# Altium PCB MSXII_Lights.PcbDoc (continued)
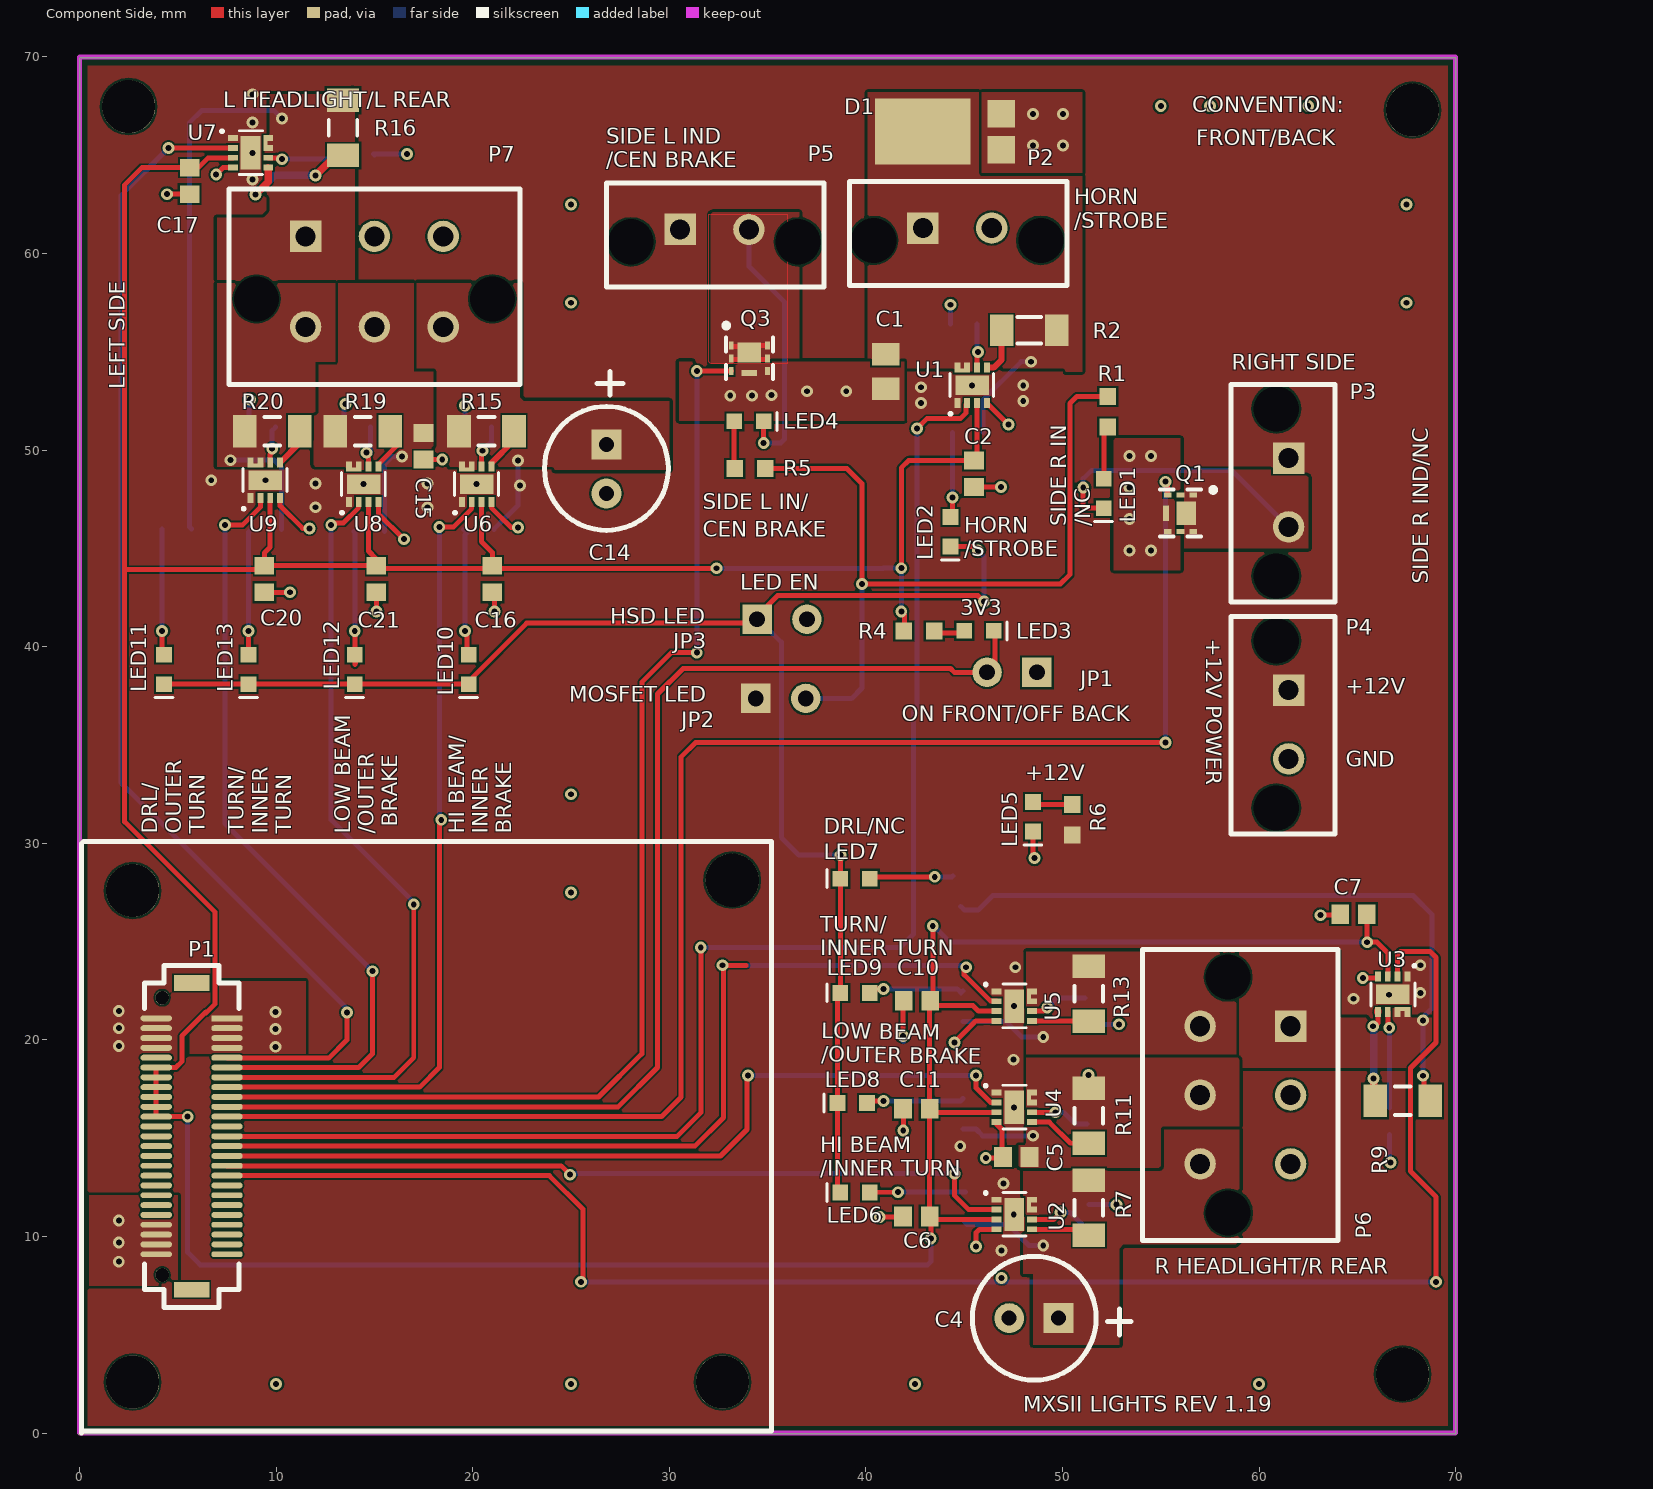
[diagram p0: Component Side view]
## Part data (continued)
R2: "200 Ohms ±5% 0.5W, 1/2W Chip Resistor 0805 (2012 Metric) Automotive AEC-Q200, Pulse Withstanding Thick Film", Manufacturer="Panasonic Electronic Components", Manufacturer Part Number=ERJ-P06F2000V, Operating Temperature="-55°C ~ 155°C", Package / Case="0805 (2012 Metric)", Power (Watts)=0.5W, Resistance=200R, Supplier Device Package=0805, Temperature Coefficient=±100ppm/°C, Tolerance=±1%, Category=Resistors, ComponentLink1Description=https://industrial.panasonic.com/cdbs/www-data/pdf/RDO0000/AOA0000C331.pdf, ComponentLink1URL=https://industrial.panasonic.com/cdbs/www-data/pdf/RDO0000/AOA0000C331.pdf, Composition="Thick Film", Failure Rate=-, Features="Automotive AEC-Q200, Pulse Withstanding", Height - Seated (Max)="0.028\" (0.70mm)", Packaging="Cut Tape (CT)", Part Status=Active, Pricing 1="1=0.27, 10=0.226, 100=0.0884, 1000=0.03699, 2500=0.0339 (CAD)", RoHS="RoHS Compliant", Size / Dimension="0.079\" L x 0.049\" W (2.00mm x 1.25mm)", Stock 1=46234, Supplier 1=Digi-Key
R6: "4.7k Ohm ±1% 0.1W, 1/10W Chip Resistor 0603 (1608 Metric) Moisture Resistant Thick Film", Manufacturer 1=Yageo, Manufacturer Part Number 1=RC0603FR-074K7L, Operating Temperature="-55°C ~ 155°C", Package / Case="0603 (1608 Metric)", Power (Watts)=1/10W, Resistance (Ohms)=4.7k, Supplier Device Package=0603, Supplier Part Number 1=311-4.70KHRCT-ND, Temperature Coefficient=±100ppm/°C, Tolerance=±1%, Category=Resistors, ComponentLink1Description=http://www.yageo.com/documents/recent/PYu-RC_Group_51_RoHS_L_7.pdf, ComponentLink1URL=http://www.yageo.com/documents/recent/PYu-RC_Group_51_RoHS_L_7.pdf, Composition="Thick Film", Description 1="RES SMD 4.7K OHM 1% 1/10W 0603", Failure Rate=-, Features="Moisture Resistant", Height - Seated (Max)="0.022\" (0.55mm)", Packaging="Cut Tape (CT)", Part Status=Active, Pricing 1="1=0.16, 10=0.022, 100=0.0089, 1000=0.00402, 2500=0.00349 (CAD)", RoHS="RoHS Compliant", Size / Dimension="0.063\" L x 0.031\" W (1.60mm x 0.80mm)", Stock 1=3487566, Supplier 1=Digi-Key
R7 R9 R11 R13 R15 R16 R19 R20: "200 Ohms ±1% 0.5W, 1/2W Chip Resistor 0805 (2012 Metric) Automotive AEC-Q200, Pulse Withstanding Thick Film", Manufacturer="Panasonic Electronic Components", Manufacturer Part Number=ERJ-P06F2000V, Operating Temperature="-55°C ~ 155°C", Package / Case="0805 (2012 Metric)", Power (Watts)=0.5W, Supplier Device Package=0805, Temperature Coefficient=±100ppm/°C, Tolerance=±1%, Category=Resistors, ComponentLink1Description=https://industrial.panasonic.com/cdbs/www-data/pdf/RDO0000/AOA0000C331.pdf, ComponentLink1URL=https://industrial.panasonic.com/cdbs/www-data/pdf/RDO0000/AOA0000C331.pdf, Composition="Thick Film", Failure Rate=-, Features="Automotive AEC-Q200, Pulse Withstanding", Height - Seated (Max)="0.028\" (0.70mm)", Packaging="Cut Tape (CT)", Part Status=Active, Pricing 1="1=0.27, 10=0.226, 100=0.0884, 1000=0.03699, 2500=0.0339 (CAD)", RoHS="RoHS Compliant", Size / Dimension="0.079\" L x 0.049\" W (2.00mm x 1.25mm)", Stock 1=46246, Supplier 1=Digi-Key
U1 U2 U3 U4 U5 U6 U7 U8 U9: "NCP45521IMNTWG-H", Current - Output (Max)=10.5A, Manufacturer="ON Semiconductor", Operating Temperature="-40°C ~ 85°C (TA)", Package / Case="8-VFDFN Exposed Pad", Supplier Device Package="8-DFN (2x2)", Voltage - Load="0.5 V ~ 13.5 V", Voltage - Supply (Vcc/Vdd)="3 V ~ 5.5 V", Category="Integrated Circuits (ICs)", ComponentLink1Description=http://www.onsemi.com/pub/Collateral/NCP45520-D.PDF, ComponentLink1URL=http://www.onsemi.com/pub/Collateral/NCP45520-D.PDF, Fault Protection="Over Temperature, UVLO", Features="Slew Rate Controlled", Input Type=Non-Inverting, Interface=On/Off, Manufacturer Part Number=NCP45521IMNTWG-H, Number of Outputs=1, Output Configuration="High Side", Output Type=N-Channel, Packaging=Digi-Reel®, Part Status=Active, Pricing 1="1=1.57, 10=1.405, 100=1.0957, 500=0.90518, 1000=0.71462 (CAD)", Pricing 2="1=1.53, 10=1.372, 100=1.0702, 500=0.88408, 1000=0.69797 (CAD)", Ratio - Input:Output=1:1, Rds On (Typ)="12.8 mOhm", RoHS="RoHS Compliant", Stock 1=2377, Stock 2=2211, Supplier 1=Digi-Key, Supplier 2=Digi-Key, Supplier Part Number 2=NCP45521IMNTWG-HOSDKR-ND, Switch Type="General Purpose"

## Free pads (board coordinates)
  round 2.7 hole 2.7: ""(2.5,67.473) ""(2.702,2.601) ""(2.702,27.601) ""(32.702,2.601) ""(33.2,28.127) ""(67.3,3) ""(67.8,67.3)

## Via types
v1: diameter 0.6, hole 0.3, Component Side to Solder Side, tented both sides, 163 vias
v2: diameter 0.6, hole 0.3, Component Side to Solder Side, 1 vias

## Nets (pads, with @x,y where several pads share a name; then routed paths per layer and width w, separated by ;. In a path a pad name is that pad's centre, name@x,y a point inside that pad or via, vN(x,y) a via of type N, cw(c..) or ccw(c..) an arc to the next point about the centre after c; other vN are vias at no path point)
3V3: C2.1 C6.1 C7.1 C10.1 C11.1 C16.1 C17.1 C20.1 C21.1 P1.40 P1.41 P1.42 P1.43 P1.44 P1.45 R4.1 U1.3 U2.3 U3.3 U4.3 U5.3 U6.3 U7.3 U8.3 U9.3 | length 223.7
  Component Side w0.254: v1(5.501,16.101) P1.40 P1.41 P1.42 P1.43 P1.44 P1.45 4.901,18.601 5.2,18.9 5.2,20.2 6.423,21.423 6.423,21.367 6.881,21.826 6.881,26.519 2.3,31.1 2.3,43.928 ; U7.3 6.539,64.873 6.039,64.373 C17.1 3.173,64.373 2.3,63.5 2.3,43.928 ; U9.3@9.7,47.373 9.7,45.073 9.4,44.773 C20.1 ; U8.3 14.7,44.873 15.1,44.473 C21.1 C21.1@15.1,43.923 ; U6.3 20.45,45.35 21,44.8 C16.1 21,44.048 C16.1@20.946,43.994 ; v1(32.4,43.994) C16.1@20.946,43.994 ; v1(41.8,41.8) 41.95,41.65 R4.1@41.95,40.7 ; v1(41.8,44) 41.8,49.1 42.175,49.475 C2.1 45.65,49.625 U1.3 ; 43.241,20.467 43.241,20.248 ; v1(43.3,9.9) C6.1@43.3,10.963 ; v1(43.4,25.8) 43.4,21.853 C10.1@43.295,21.748 ; U2.3 46.636,10.869 43.394,10.869 C6.1@43.3,10.963 ; U4.3 C11.1@43.24,16.323 ; U5.3 45.72,21.473 45.445,21.748 C10.1@43.295,21.748 ; C7.1@65.475,26.348 65.475,26.153 65.495,26.173 v1(65.495,24.973) 66,24.973 66.545,24.428 U3.3 ; 2.3,43.928 9.4,43.928 C20.1 ; C20.1 14.9,44.123 C21.1@15.1,43.923 ; C21.1@15.1,43.923 15.171,43.994 C16.1@20.946,43.994 ; C11.1@43.24,16.323 C6.1 C6.1@43.3,10.963 ; C11.1@43.24,16.323 C11.1@43.24,16.486 ; C11.1@43.24,16.486 C11.1 ; C11.1@43.24,16.486 C11.1 ; C11.1 43.241,19.429 43.241,20.248 ; 43.241,20.248 43.24,21.748 C10.1@43.295,21.748
  Solder Side w0.254: v1(5.501,16.101) 5.501,9.199 6.14,8.56 43.135,8.56 43.3,8.725 v1(43.3,9.9) ; v1(32.4,43.994) 40.894,43.994 40.9,44 v1(41.8,44) v1(41.8,41.8) ; v1(43.4,25.8) 43.448,25.8 44.275,24.973 v1(65.495,24.973)
+12V: JP2.1 P1.47 P1.48 P1.49 P1.50 P3.1 P4.1 P5.1 R6.1 U1.1 U1.9 U2.1 U2.9 U3.1 U3.9 U4.1 U4.9 U5.1 U5.9 U6.1 U6.9 U7.1 U7.9 U8.1 U8.9 U9.1 U9.9
  other v1: 46.9,9.3 47.52,11.123 47,12.7 44.8,14.6 47.54,16.573 47.5,19 2,19.7 2,20.6 2,21.475 47.54,21.723 64.8,22.1 66.6,22.3 68.2,22.4 47.6,23.7 68.2,23.8 12,47.1 17.7,47.1 22.4,48.2 14.45,48.273 20.2,48.273 12,48.3 17.7,48.3 6.7,48.473 9.45,48.473 42.8,52.4 48,52.5 42.8,53.2 45.4,53.3 48,53.3 8.8,63.773 8.8,65.123 8.8,66.673 8.8,68.1
GND: C1.2 C2.2 C3.2 C4.2 C5.1 C6.2 C7.2 C8.2 C9.2 C10.2 C11.2 C12.2 C13.2 C14.2 C15.1 C16.2 C17.2 C18.2 C19.2 C20.2 C21.2 C22.2 C23.2 D1.1 JP1.1 JP3.2 LED5.2 P1.1 P1.2 P1.3 P1.4 P1.26 P1.27 P1.28 P1.29 P2.2 P4.2 P6.2 P6.3 P7.2 P7.3 Q1.4 Q1.8 Q3.4 Q3.8 U1.4 U2.4 U3.4 U4.4 U5.4 U6.4 U7.4 U8.4 U9.4 | length 42.2
  Component Side w0.254: v1(4.45,63.023) C17.2 ; v1(6.95,64.023) 7.3,64.373 U7.4 ; C20.2 v1(10.7,42.773) ; U9.4 10.2,47.173 11.35,46.023 v1(11.7,46.023) v1@11.6,46.123 ; v1(15.1,41.8) C21.2@15.1,42.573 ; U8.4 15.2,46.773 v1(16.5,45.473) ; C15.1 v1(18.45,49.523) ; U6.4 20.95,47.073 21.95,46.073 v1(22.3,46.073) ; C16.2 21.1,42.673 v1@21.1,41.9 ; v1(40.7,11) 41.867,11 C6.2 ; C11.2@41.89,16.248 41.9,16.238 v1(41.9,15.4) ; v1(41.89,20.2) C10.2@41.89,21.748 ; v1(44.5,19.873) 45.6,20.973 U5.4 ; C2.2 v1(46.875,48.125) ; v1(45.6,9.5) 45.6,10.2 45.773,10.373 U2.4 ; v1(46.1,14) 46.922,14 C5.1 46.924,14.094 46.924,15.444 46.64,15.728 U4.4 ; U1.4 v1(47.25,51.3) ; LED5.2@48.5,30.65 48.5,29.325 v1(48.575,29.25) ; v1(63.125,26.348) C7.2@64.32,26.348 ; v1(65.275,23.148) 65.97,23.148 U3.4
  Solder Side w0.254: C23.2 8.625,52.523 v1(8.675,52.573) ; C22.2 13.45,52.265 v1(13.533,52.348) ; C19.2@15,65.023 C19.2 v1(16.65,65.073) ; C18.2 v1(19.6,52.273) ; v1@41.89,19.938 v1@41.905,19.923 ; C3.2 v2(44.3,57.4) ; C13.2 v1(52.875,20.798) ; C12.2@51.329,17.348 v1(51.329,18.216) ; C8.2 v1(52.75,11.623) ; C9.2 66.62,13.828 v1(66.675,13.773)
  other v1: 10,2.5 25,2.5 42.5,2.5 60,2.5 2,8.725 2,9.7 2,10.825 9.975,19.652 9.975,20.552 9.975,21.427 25,27.5 25,32.5 21.1,41.8 53.4,44.9 54.5,44.9 53.4,46.5 53.4,48.1 53.4,49.7 54.5,49.7 33.1,52.773 34.2,52.773 35.2,52.8 37,53 39,53 25,57.5 67.5,57.5 25,62.5 67.5,62.5 48.5,65.5 50.018,65.5 48.5,67.095 50.018,67.095 55,67.5 57.5,67.5 62.5,67.5
LED_12V: JP2.2 R1.1 R5.1 | length 40.5
  Component Side w0.254: R5.1 39.027,49.073 39.8,48.3 v1(39.8,43.2) 49.9,43.2 50.372,43.672 50.372,52.372 50.728,52.728 R1.1 ; JP2.2 JP2.2@37.173,37.373
  Solder Side w0.254: JP2.2 39.273,37.373 39.8,37.9 v1(39.8,43.2)
LED_OUT: JP3.1 LED2.2 LED6.2 LED7.2 LED8.2 LED9.2 LED10.2 LED11.2 LED12.2 LED13.2 | length 81.4
  Component Side w0.254: LED11.2@4.3,37.9 4.5,38.1 LED13.2 LED12.2 19.446,38.1 LED10.2@19.673,37.873 ; LED10.2@19.77,38.23 22.74,41.2 33.9,41.2 34.273,41.573 34.473,41.573 35.5,42.6 45.7,42.6 v1(46,42.3) ; LED8.2@38.5,16.79 38.54,16.77 LED8.2@38.55,16.764 ; LED9.2@38.5,22.397 38.5,22.39 38.55,22.34 LED8.2 LED8.2@38.55,16.764 ; LED6.2 38.55,12.388 LED8.2@38.55,16.764 ; LED9.2 LED7.2 v1(38.7,29.4) ; LED8.2@38.7,16.688 LED8.2@38.55,16.764 ; LED6.2@38.895,12.247 LED6.2@38.9,12.138 ; LED2.2 45.5,45.1 v1(45.7,44.9)
  Solder Side w0.254: JP3.1@35.027,41.573 34.36,41.573 35.7,40.233 35.7,30.3 36.6,29.4 v1(38.7,29.4) ; v1(45.7,44.9) 46,44.6 v1(46,42.3)
LF_DRL/LR_OUTER_TURN_3: P7.1 R16.1 R18.1 U7.7 U7.8 | length 26.1
  Component Side w0.254: U7.7 U7.7@9.609,65.382 ; P7.1@10.921,60.873 P7.1@11.1,61.052
  Solder Side w0.254: R18.1 5.6,46.1 5.6,66.673 6.2,67.273 9.9,67.273 v1(10.3,66.873)
LF_HIGH_BEAM/LR_BRAKE_3: C14.1 P7.6 R15.1 R17.1 U6.7 U6.8 | length 4
  Solder Side w0.254: R17.1 22.3,47.198 v1(22.3,49.473)
LF_LOW_BEAM/LR_OUTER_BRAKE_3: C15.2 P7.5 R19.1 R21.1 U8.7 U8.8 | length 4.5
  Solder Side w0.254: R21.1@15.5,45.873 R21.1 15.5,49.264 15.909,49.673 v1(16.4,49.673)
LF_TURN/LR_TURN_3: P7.4 R20.1 R22.1 U9.7 U9.8 | length 5.9
  Solder Side w0.254: v1(7.679,49.494) 9.906,49.494 10.275,49.125 R22.1
NetC1_1: C1.1 D1.2 P2.1 R2.1 R3.1 U1.7 U1.8 | length 4.9
  Solder Side w0.254: R3.1 45.95,52.55 47.9,54.5 v1(48.4,54.5)
NetC3_1: C3.1 U1.6 | length 2.3
  Component Side w0.254: U1.6 45.65,54.95 v1(45.7,55)
  Solder Side w0.254: C3.1 45.65,55.05 v1(45.7,55)
NetC8_1: C8.1 U2.6 | length 3.4
  Component Side w0.254: U2.6 49.55,10.873 v1(49.9,11.223)
  Solder Side w0.254: v1(49.9,11.223) 50.395,11.223 C8.1@51.342,10.275
NetC9_1: C9.1 U3.6 | length 4.9
  Component Side w0.254: U3.6 66.545,20.698 66.623,20.62 v1(66.62,20.62)
  Solder Side w0.254: C9.1 v1(66.62,20.62)
NetC12_1: C12.1 U4.6 | length 3.1
  Component Side w0.254: U4.6@48.4,16.323 v1(49.65,16.323)
  Solder Side w0.254: v1(49.65,16.323) 50.05,16.323 50.65,15.723 C12.1
NetC13_1: C13.1 U5.6 | length 3
  Component Side w0.254: U5.6 49.045,21.473 v1(49.22,21.648)
  Solder Side w0.254: v1(49.22,21.648) 49.72,22.148 C13.1
NetC18_1: C18.1 U6.6 | length 1.9
  Component Side w0.254: U6.6 v1@20.45,49.723
  Solder Side w0.254: v1(20.5,49.973) 20.95,50.423 C18.1
NetC19_1: C19.1 U7.6 | length 4
  Component Side w0.254: U7.6 10.229,64.873 v1(10.3,64.802)
  Solder Side w0.254: v1(10.3,64.802) C19.1@13.6,64.802
NetC22_1: C22.1 U8.6 | length 1.9
  Component Side w0.254: U8.6 14.7,49.573
  Solder Side w0.254: v1(14.6,49.873) 14.8,49.873 C22.1
NetC23_1: C23.1 U9.6 | length 1.9
  Component Side w0.254: U9.6 9.7,49.773 9.8,49.873 v1(9.8,50.073)
  Solder Side w0.254: v1(9.8,50.073) 9.8,50.998 C23.1@9.975,51.173
NetLED1_1: LED1.1 R1.2 | length 2.7
  Component Side w0.254: LED1.1 52.1,50.978 R1.2
NetLED1_2: LED1.2 P3.2 Q1.1 Q1.2 Q1.5 Q1.6 Q1.7 | length 15.3
  Component Side w0.254: v1(51.053,48.1) 51.053,47.147 51.147,47.053 LED1.2 ; Q1.7@56.4,46.473 56.488,46.737 Q1.7@56.5,46.773 ; Q1.7@56.4,47.073 56.472,46.857 Q1.7@56.5,46.773 ; Q1.7@56.642,46.682 Q1.7@56.5,46.773 ; Q1.7@56.642,46.864 Q1.7@56.5,46.773
  Solder Side w0.254: v1(51.053,48.1) 51.053,48.553 51.479,48.979 58.594,48.979 61.473,46.1 P3.2
NetLED2_1: LED2.1 R3.2 | length 4.2
  Component Side w0.254: LED2.1@44.4,46.7 v1(44.4,47.6)
  Solder Side w0.254: v1(44.4,47.6) R3.2
NetLED3_1: LED3.1 R4.2 | length 1.6
  Component Side w0.254: R4.2@43.5,40.7 44.94,40.7 LED3.1@45.05,40.81
NetLED4_1: LED4.1 R5.2 | length 2.4
  Component Side w0.254: LED4.1@33.3,51.273 33.3,48.898 R5.2@33.325,48.873
NetLED4_2: LED4.2 P5.2 Q3.1 Q3.2 Q3.5 Q3.6 Q3.7 | length 18.1
  Component Side w0.254: Q3.2@33.15,54.623 Q3.7@33.775,54.623 ; Q3.1@33.15,55.273 33.725,55.273 Q3.7@34.075,54.923 ; v1(34.8,50.373) LED4.2 ; Q3.5@35,54.623 Q3.7@33.775,54.623 ; Q3.6 34.475,55.323 Q3.7@34.075,54.923 ; Q3.7@33.775,54.623 Q3.7@34.075,54.923
  Solder Side w0.254: P5.2 34.05,59.35 35.871,57.529 35.871,50.571 35.673,50.373 v1(34.8,50.373) v1@34.771,50.402
NetLED5_1: LED5.1 R6.2 | length 2.1
  Component Side w0.254: LED5.1 48.625,31.975 R6.2
NetLED6_1: LED6.1 R8.2 | length 4.9
  Component Side w0.254: LED6.1@40.2,12.251 v1(41.631,12.26)
  Solder Side w0.254: v1(41.631,12.26) R8.2@45.06,12.26
NetLED7_1: LED7.1 R10.2 | length 4.2
  Component Side w0.254: LED7.1@40.239,28.3 v1(43.5,28.3)
  Solder Side w0.254: v1(43.5,28.3) 44.372,28.3 R10.2@44.42,28.348
NetLED8_1: LED8.1 R12.2 | length 5
  Component Side w0.254: LED8.1 40.16,16.9 v1(40.9,16.9)
  Solder Side w0.254: v1(40.9,16.9) 44.817,16.9 R12.2
NetLED9_1: LED9.1 R14.2 | length 5
  Component Side w0.254: LED9.1@40.2,22.28 40.52,22.6 v1(40.9,22.6)
  Solder Side w0.254: v1(40.9,22.6) 44.642,22.6 44.842,22.4 R14.2@44.94,22.498
NetLED10_1: LED10.1 R17.2 | length 6.5
  Component Side w0.254: v1(19.6,40.8) 19.7,40.7 LED10.1@19.7,39.673
  Solder Side w0.254: R17.2 19.7,45.798 19.6,45.698 v1(19.6,40.8)
NetLED11_1: LED11.1 R18.2 | length 6.4
  Component Side w0.254: LED11.1@4.2,39.6 v1(4.2,40.8)
  Solder Side w0.254: v1(4.2,40.8) R18.2@4.2,46
NetLED12_1: LED12.1 R21.2 | length 6.9
  Component Side w0.254: 14,39.1 14,39.194 ; v1@14,40.6 LED12.1 14,39.194 ; 14.05,39.183 14.011,39.183 14,39.194
  Solder Side w0.254: R21.2@13.95,45.873 14.011,45.812 14,45.8 v1@14,40.6
  other v1: 14,40.8
NetLED13_1: LED13.1 R22.2 | length 6.7
  Component Side w0.254: LED13.1@8.5,39.373 8.6,39.473 8.6,40.473
  Solder Side w0.254: 8.6,40.473 v1(8.6,40.8) 8.6,45.848 R22.2
NetR2_2: R2.2 U1.5 | length 2.4
  Component Side w0.305: U1.5 46.5,54.2 46.9,54.6 R2.2
NetR7_1: R7.1 U2.5 | length 3
  Component Side w0.254: U2.5 51.04,10.373 R7.1
NetR9_2: R9.2 U3.5 | length 4.8
  Component Side w0.254: v1(65.8,20.7) 65.88,20.7 66.045,20.864 U3.5
  Component Side w0.381: R9.2@65.82,16.848 v1(65.82,18.048) ; U3.5 U3.5@66.045,21.48
  Solder Side w0.381: v1(65.8,20.7) 65.82,20.68 v1(65.82,18.048)
NetR11_2: R11.2 U4.5 | length 3.3
  Component Side w0.254: U4.5 49.331,15.823 50.406,14.748 R11.2
NetR13_2: R13.2 U5.5 | length 2.9
  Component Side w0.254: U5.5 51.315,20.973 R13.2
NetR15_2: R15.2 U6.5 | length 2.3
  Component Side w0.254: U6.5 U6.5@20.95,49.342 ; R15.2@22.1,50.492 R15.2
  Component Side w0.305: U6.5@20.95,49.342 R15.2@22.1,50.492
NetR16_2: R16.2 U7.5 | length 6.7
  Component Side w0.254: v1(12,63.973) v1@12.2,64.173
  Component Side w0.381: v1(8.952,63.001) 9.6,63.65 U7.5 ; v1@12.2,64.173 12.927,64.9 R16.2@13.2,64.9
  Solder Side w0.381: v1(8.952,63.001) 9.923,63.973 v1(12,63.973)
NetR19_2: R19.2 U8.5 | length 2.4
  Component Side w0.254: U8.5 15.2,49.292 16.16,50.252 16.2,50.252 16.2,50.573 R19.2
NetR20_2: R20.2 U9.5 | length 2
  Component Side w0.254: R20.2@11.2,50.373 R20.2
  Component Side w0.305: U9.5 R20.2@11.2,50.373
PA0/AN0: P1.25
PA1/AN1: P1.24
PA2/AN2/USART2_TX: P1.23
PA3/AN3/USART2_RX: P1.22
PA4/AN4/SPI1_NSS: P1.21
PA5/AN5/SPI1_SCK: P1.20
PA6/AN6/SPI1_MISO: P1.19
PA7/AN7/SPI1_MOSI: P1.18
PA8/LOW_BEAM/LR_OUTER_BRAKE: P1.7 U8.2 | length 40.5
  Component Side w0.254: P1.7 16.001,18.101 17,19.1 v1(17,26.9) v1@16.9,27 ; v1@13,46.3 13.422,46.3 14.2,47.078 U8.2
  Solder Side w0.254: v1(12.8,46.2) 12.8,31.2 v1@16.95,27.05
PA9//L_TURN: P1.6 U9.2 | length 40.3
  Component Side w0.254: v1(7.4,46.2) 8.3,46.2 9.2,47.1 U9.2 ; P1.6 14.201,18.601 14.9,19.3 v1(14.9,23.5)
  Solder Side w0.254: v1(7.4,46.2) 7.4,31 v1(14.9,23.5)
PA10/L_DRL/LR_OUTER_TURN: P1.5 U7.2 | length 60.9
  Component Side w0.254: v1(4.527,65.373) U7.2 ; P1.5 7.53,19.073 12.673,19.073 13.6,20 v1(13.6,21.4)
  Solder Side w0.254: v1(4.527,65.373) 2.1,62.946 2.1,33.1 v1@13.7,21.5
PA15/LED_RED: P1.39
PB0/R_DRL/RR_OUTER_TURN: P1.17 U3.2 | length 87.1
  Component Side w0.254: P1.17 23.899,13.101 25.6,11.4 25.6,7.8 v1(25.5,7.7) ; U3.2 67.045,24.345 67.2,24.5 68.7,24.5 69,24.2 69,19.875 67.7,18.575 67.7,13.325 69,12.025 v1(69,7.7) v1@69,7.5
  Solder Side w0.254: v1(25.5,7.7) v1(69,7.7)
  other v1: 46.9,7.9
PB1/HI_BEAM/RR_BRAKE: P1.16 U2.2 | length 40.7
  Component Side w0.254: P1.16 24.499,13.601 v1(24.95,13.15) ; v1(44.5,13.2) 44.5,12.1 45.227,11.373 U2.2
  Solder Side w0.254: v1@24.95,13.2 v1(44.5,13.2)
PB2/LOW_BEAM/RR_OUTER_BRAKE: P1.15 U4.2 | length 43.4
  Component Side w0.254: P1.15 32.601,14.101 33.95,15.45 v1@33.95,18.25 ; v1(45.6,18.2) 45.6,17.568 46.345,16.823 U4.2
  Solder Side w0.254: v1(34,18.2) v1(45.6,18.2)
PB3/LED_GREEN: P1.38
PB4/LED_BLUE: P1.37
PB5/LED_BLUE: P1.36
PB6/USART1_TX: P1.34
PB7/USART1_RX: P1.33
PB8/I2C1_SCL: P1.32
PB9/I2C1_SDA: P1.31
PB10/R_TURN: P1.14 U5.2 | length 49.7
  Component Side w0.254: P1.14 31.301,14.601 32.753,16.053 32.753,23.747 v1(32.7,23.8) 33.9,23.8 ; v1@45,23.6 45,23.318 46.345,21.973 U5.2
  Solder Side w0.254: v1(32.7,23.8) 45,23.8 v1(45.1,23.7)
PB11/HORN/STROBE: P1.13 U1.2 | length 73.2
  Component Side w0.254: P1.13 30.401,15.101 31.6,16.3 v1(31.6,24.7) ; v1(42.6,51.1) 43.1,51.6 44.8,51.6 45.079,51.879 45.079,52.329 U1.2
  Solder Side w0.254: v1(31.6,24.7) 41.741,24.7 42.421,25.379 42.421,36.721 42.6,36.9 v1(42.6,51.1)
PB12/R_IND: P1.11 Q1.3 | length 79.7
  Component Side w0.254: P1.11 29.601,16.101 30.6,17.1 30.6,34.4 31.336,35.136 v1(55.236,35.136) ; v1(55.236,48.4) 55.35,48.286 Q1.3
  Solder Side w0.254: v1(55.236,35.136) v1(55.236,48.4)
PB13/F\R\O\N\T\_BACK: JP1.2 LED3.2 P1.10 | length 60.8
  Component Side w0.254: P1.10 27.401,16.601 29.4,18.6 29.4,37.6 30.7,38.9 44.3,38.9 44.5,38.7 JP1.2@45.754,38.7 ; LED3.2 46.566,40.754 JP1.2@46.566,38.7
PB14/L_IND/CEN_BRAKE: P1.9 Q3.3 | length 60.2
  Component Side w0.254: P1.9 26.401,17.101 28.6,19.3 28.6,38.2 30.1,39.7 v1@31.2,39.7 ; v1(31.4,54.023) Q3.3
  Solder Side w0.254: v1(31.4,39.7) v1(31.4,54.023)
PB15/HI_BEAM/R_BRAKE: P1.8
PB15/HI_BEAM/RE_BRAKE: U6.2 | length 41.2
  Component Side w0.254: 7.502,17.601 17.301,17.601 18.3,18.6 18.3,31 v1@18.5,31.2 ; v1(18.3,46.1) 19.027,46.1 19.95,47.023 U6.2
  Solder Side w0.254: v1(18.3,46.1) 18.3,31.3 v1(18.4,31.2)
PC13: P1.30
RF_DRL/RR_OUTER_TURN_2: P6.1 R9.1 R10.1 U3.7 U3.8 | length 34.5
  Component Side w0.254: v1(68.331,18.183) 68.395,17.995 R9.1@68.395,17.023
  Solder Side w0.254: R10.1@44.82,26.798 45.018,26.6 45.7,26.6 46.448,27.348 67.825,27.348 68.8,26.373 68.8,21.623 68.177,21 v1(68.331,21) v1(68.331,18.183)
RF_HIGH_BEAM/RR_BRAKE_2: C4.1 P6.6 R7.2 R8.1 U2.7 U2.8 | length 4.5
  Solder Side w0.254: R8.1 45.143,10.625 47.218,10.625 48.296,9.548 v1(49.02,9.548)
RF_LOW_BEAM/RR_OUTER_BRAKE_2: C5.2 P6.5 R11.1 R12.1 U4.7 U4.8 | length 3.7
  Solder Side w0.254: R12.1 45.595,15.473 45.941,15.127 v1(48.5,15.127)
RF_TURN/RR_TURN_2: P6.4 R13.1 R14.1 U5.7 U5.8 | length 4.4
  Solder Side w0.254: R14.1@44.94,20.948 47.12,20.948 47.92,20.148 v1(49.02,20.148)
pads on no net: P1. P1.12 P1.35 P1.46 P2. P3. P4. P5. P6. P7.
copper on no net: | length 1.7
  Component Side w0.254: 46.16,38.7 46.16,38.94 ; 48.4,38.4 48.769,38.769 48.769,38.369 ; 48.7,60.738 49.075,60.363

## Polygon pours and split planes (outlines as drawn)
+12V on Component Side "+12V_L01_P359" (solid, remove dead copper, pour order 359): 46.18,13.352 48.18,13.352 48.18,6.9 46.18,6.9
GND on Component Side "GND_L01_P337" (solid, remove dead copper, pour order 337): 45.9,68.2 46.753,68.2 51,68.2 51,64.1 45.9,64.1
NetLED4_2 on Component Side "NETLED4_2_L01_P346" (solid, remove dead copper, pour order 346): 32.1,62 32.2,62.1 36.6,62.1 36.6,54.5 36.5,54.4 32.1,54.4
LF_TURN/LR_TURN_3 on Component Side "LF_TURN/LR_TURN_3_L01_P349" (solid, remove dead copper, pour order 349): 7,49 12,49 12,54.5 13,54.5 13,58.5 7,58.5
LF_LOW_BEAM/LR_OUTER_BRAKE_3 on Component Side "LF_LOW_BEAM/LR_OUTER_BRAKE_3_L01_P350" (solid, remove dead copper, pour order 350): 12,58.5 17,58.5 17,54 18,54 18,50.218 17.9,50.118 17.9,49 11.899,49
LF_HIGH_BEAM/LR_BRAKE_3 on Component Side "LF_HIGH_BEAM/LR_BRAKE_3_L01_P355" (solid, remove dead copper, pour order 355): 17,58.5 22.4,58.5 22.4,52.7 22.6,52.5 30,52.5 30,49 16.9,49
+12V on Component Side "+12V_L01_P348" (solid, remove dead copper, pour order 348): 7,49 24,49 24,46.5 7,46.5
GND on Component Side "GND_L01_P338" (solid, remove dead copper, pour order 338): 30.5,54.5 41.95,54.5 41.95,51.5 30.5,51.5
GND on Component Side "GND_L01_P344" (solid, remove dead copper, pour order 344): 52.6,50.6 56,50.6 56,43.9 52.6,43.9
GND on Component Side "GND_L01_P341" (solid, remove dead copper, pour order 341): 0.5,7.5 5,7.5 5,12.1 0.5,12.1
GND on Component Side "GND_L01_P342" (solid, remove dead copper, pour order 342): 5.6,19.3 11.5,19.3 11.5,23 5.6,23
NetLED1_2 on Component Side "NETLED1_2_L01_P345" (solid, remove dead copper, pour order 345): 32,62 36,62 36,54.4 32.1,54.4 32,54.5
NetC1_1 on Component Side "NETC1_1_L01_P357" (solid, remove dead copper, pour order 357): 40.1,68.2 51,68.2 51,54 40.1,54
+12V on Component Side "+12V_L01_P340" (solid, remove dead copper, pour order 340): 42,54 50,54 50,51.5 42,51.5
NetLED1_2 on Component Side "NETLED1_2_L01_P343" (solid, remove dead copper, pour order 343): 62.5,45 62.5,49 56.2,49 56.2,45
+12V on Component Side "+12V_L01_P347" (solid, remove dead copper, pour order 347): 46,24.5 48,24.5 48,14.798 46,14.798
RF_TURN/RR_TURN_2 on Component Side "RF_TURN/RR_TURN_2_L01_P354" (solid, remove dead copper, pour order 354): 48,24.5 59.1,24.5 59,24.4 59,19 48,19
RF_LOW_BEAM/RR_OUTER_BRAKE_2 on Component Side "RF_LOW_BEAM/RR_OUTER_BRAKE_2_L01_P352" (solid, remove dead copper, pour order 352): 47.77,13.448 47.822,13.5 55,13.5 55,15.5 55.1,15.6 59,15.6 59,19.032 58.932,19.1 47.8,19.1
RF_HIGH_BEAM/RR_BRAKE_2 on Component Side "RF_HIGH_BEAM/RR_BRAKE_2_L01_P356" (solid, remove dead copper, pour order 356): 59,17.415 59,9.8 58.8,9.6 53.1,9.6 52.889,9.389 52.889,4.5 48.502,4.5 48.5,8.1 48,8.1 48,15.263
RF_DRL/RR_OUTER_TURN_2 on Component Side "RF_DRL/RR_OUTER_TURN_2_L01_P353" (solid, remove dead copper, pour order 353): 59,24.5 59,18.6 69.2,18.6 69.2,24.5
LF_DRL/LR_OUTER_TURN_3 on Component Side "LF_DRL/LR_OUTER_TURN_3_L01_P351" (solid, remove dead copper, pour order 351): 7,58.5 14,58.5 14,68.5 13.6,68.1 9.3,68.1 9.3,62 7,62
+12V on Component Side "+12V_L01_P339" (solid, remove dead copper, pour order 339): 7,62 9.3,62 9.5,62.2 9.5,69.1 7.1,69.1 7,69
+12V on Component Side "+12V_L01_P336" (solid, remove dead copper, pour order 336): 64.2,24.5 69,24.5 69,21.3 64.2,21.3
+12V on Component Side "+12V_L01_P358" (solid, remove dead copper, pour order 358): 0,69.973 70,69.973 70,-0.027 69.972,0.001 0.102,0.001
GND on Solder Side "GND_L04_P361" (solid, remove dead copper, pour order 361): 0,69.946 70,69.946 70,-0.054 69.972,-0.026 0.102,-0.026
GND on Ground Plane (split plane): 69.49,0.483 0.51,0.483 0.51,69.463 69.49,69.463
+12V on Power Plane (split plane): 69.49,0.483 0.51,0.483 0.51,69.463 69.49,69.463

## Keep-outs
Keep-Out Layer:
  lines w0.254: 0,0 0,70 70,70 70,0 69.999,0.001 0.102,0.001

## Other copper
Component Side:
  region: 78,17.673
  region: 78,17.673
  region: 78,17.673

## Silkscreen, mask and mechanical layers (free items; w line width, h text height)
Top Overlay:
  lines w0.254: 0.102,0.001 0.102,30.001 ; 0.202,0.101 35.202,0.101 35.202,30.101 0.202,30.101
  text "L HEADLIGHT/L REAR" at 7.3,67.448 h0.8
  text "CONVENTION:" at 56.6,67.2 h0.8
  text "FRONT/BACK" at 56.8,65.5 h0.8
  text "SIDE L IND / /CEN BRAKE" at 26.8,64.4 h0.8
  text "HORN / /STROBE" at 50.6,61.3 h0.8
  text "RIGHT SIDE" at 58.6,54.1 h0.8
  text "LEFT SIDE" at 2.3,53.1 h0.8 r90
  text "SIDE L IN/" at 31.7,47 h0.8
  text "SIDE R IN / /NC" at 51.4,46.12 h0.8 r90
  text "CEN BRAKE" at 31.7,45.6 h0.8
  text "HORN / /STROBE" at 45,44.6 h0.8
  text "SIDE R IND/NC" at 68.6,43.2 h0.8 r90
  text "LED EN" at 33.6,42.9 h0.8
  text "3V3" at 44.8,41.6 h0.8
  text "HSD LED" at 26.999,41.173 h0.8
  text "+12V POWER" at 57.3,40.4 h0.8 r270
  text "+12V" at 64.4,37.6 h0.8
  text "MOSFET LED" at 24.9,37.2 h0.8
  text "ON FRONT/OFF BACK" at 41.825,36.225 h0.8
  text "GND" at 64.4,33.9 h0.8
  text "+12V" at 48.1,33.2 h0.8
  text "DRL/ / OUTER / TURN" at 6.363,30.5 h0.8 r90
  text "TURN/ / INNER / TURN" at 10.763,30.5 h0.8 r90
  text "LOW BEAM / /OUTER /  BRAKE" at 16.163,30.5 h0.8 r90
  text "HI BEAM/ / INNER / BRAKE" at 21.963,30.5 h0.8 r90
  text "DRL/NC" at 37.85,30.5 h0.8
  text "TURN/ / INNER TURN" at 37.67,24.3 h0.8
  text "LOW BEAM / /OUTER BRAKE" at 37.72,18.9 h0.8 r359.2
  text "HI BEAM / /INNER TURN" at 37.67,13.1 h0.8
  text "R HEADLIGHT/R REAR" at 54.7,8.1 h0.8
  text "MXSII LIGHTS REV 1.19" at 48,1.1 h0.8
Bottom Overlay:
  lines w0.254: 10.6,18 10.6,44.9 21.1,44.9 21.1,28.1 21.1,18 20.5,18 10.6,18 ; 21.875,22.975 21.9,23 43.5,23 43.612,22.89 43.612,10.412 43.603,10.403 21.994,10.202 21.875,22.975
  text "+12V" at 30.2,64.1 h0.8 r270
  text "BRAKE" at 32.4,64.1 h0.8 r270
  text "CENTRE" at 33.6,64.1 h0.8 r270
  text "L IND/" at 34.9,64.1 h0.8 r270
  text "GND" at 48.3,62.8 h0.8 r270
  text "HORN/" at 45.1,62.7 h0.8 r270
  text "STROBE" at 43.9,62.5 h0.8 r270
  text "P9" at 9.2,60.2 h0.8 r270
  text "+12V" at 57.9,50 h0.8
  text "SIDE R IND/NC" at 57.9,46.4 h0.8
  text "P9" at 9.1,43.1 h0.8 r270
  text "GND" at 38,43.1 h0.8
  text "+12V" at 35.5,38.9 h0.8
  text "+12V" at 57.93,37.3 h0.8
  text "GND" at 57.93,33.8 h0.8
  text "DRL/OUTER_TURN" at 11.1,33 h0.8 r270
  text "GND" at 14.9,33 h0.8 r270
  text "GND" at 18.3,33 h0.8 r270
  text "P8" at 43.7,23.9 h0.8
  text "P8" at 63.1,22.4 h0.8
  text "TURN/" at 30.8,21.6 h0.8
  text "DRL/OUTER TURN" at 43,21.52 h0.8
  text "INNER TURN" at 30.8,20.3 h0.8
  text "TURN/INNER TURN" at 11.2,19.1 h0.8 r270
  text "LOW BEAM/" at 14.9,19.1 h0.8 r270
  text "OUTER BRAKE" at 16.1,19.09 h0.8 r270
  text "HI BEAM/" at 18.6,19.1 h0.8 r270
  text "INNER BRAKE" at 20,19.1 h0.8 r270
  text "LOW BEAM/" at 30.8,16.9 h0.8
  text "GND" at 43.04,16.5 h0.8
  text "OUTER BRAKE" at 30.8,15.6 h0.8
  text "HI BEAM/" at 30.8,12.4 h0.8
  text "GND" at 43.04,12.3 h0.8
  text "INNER BRAKE" at 30.8,11.3 h0.8